# KiCad board main.kicad_pcb (continued)
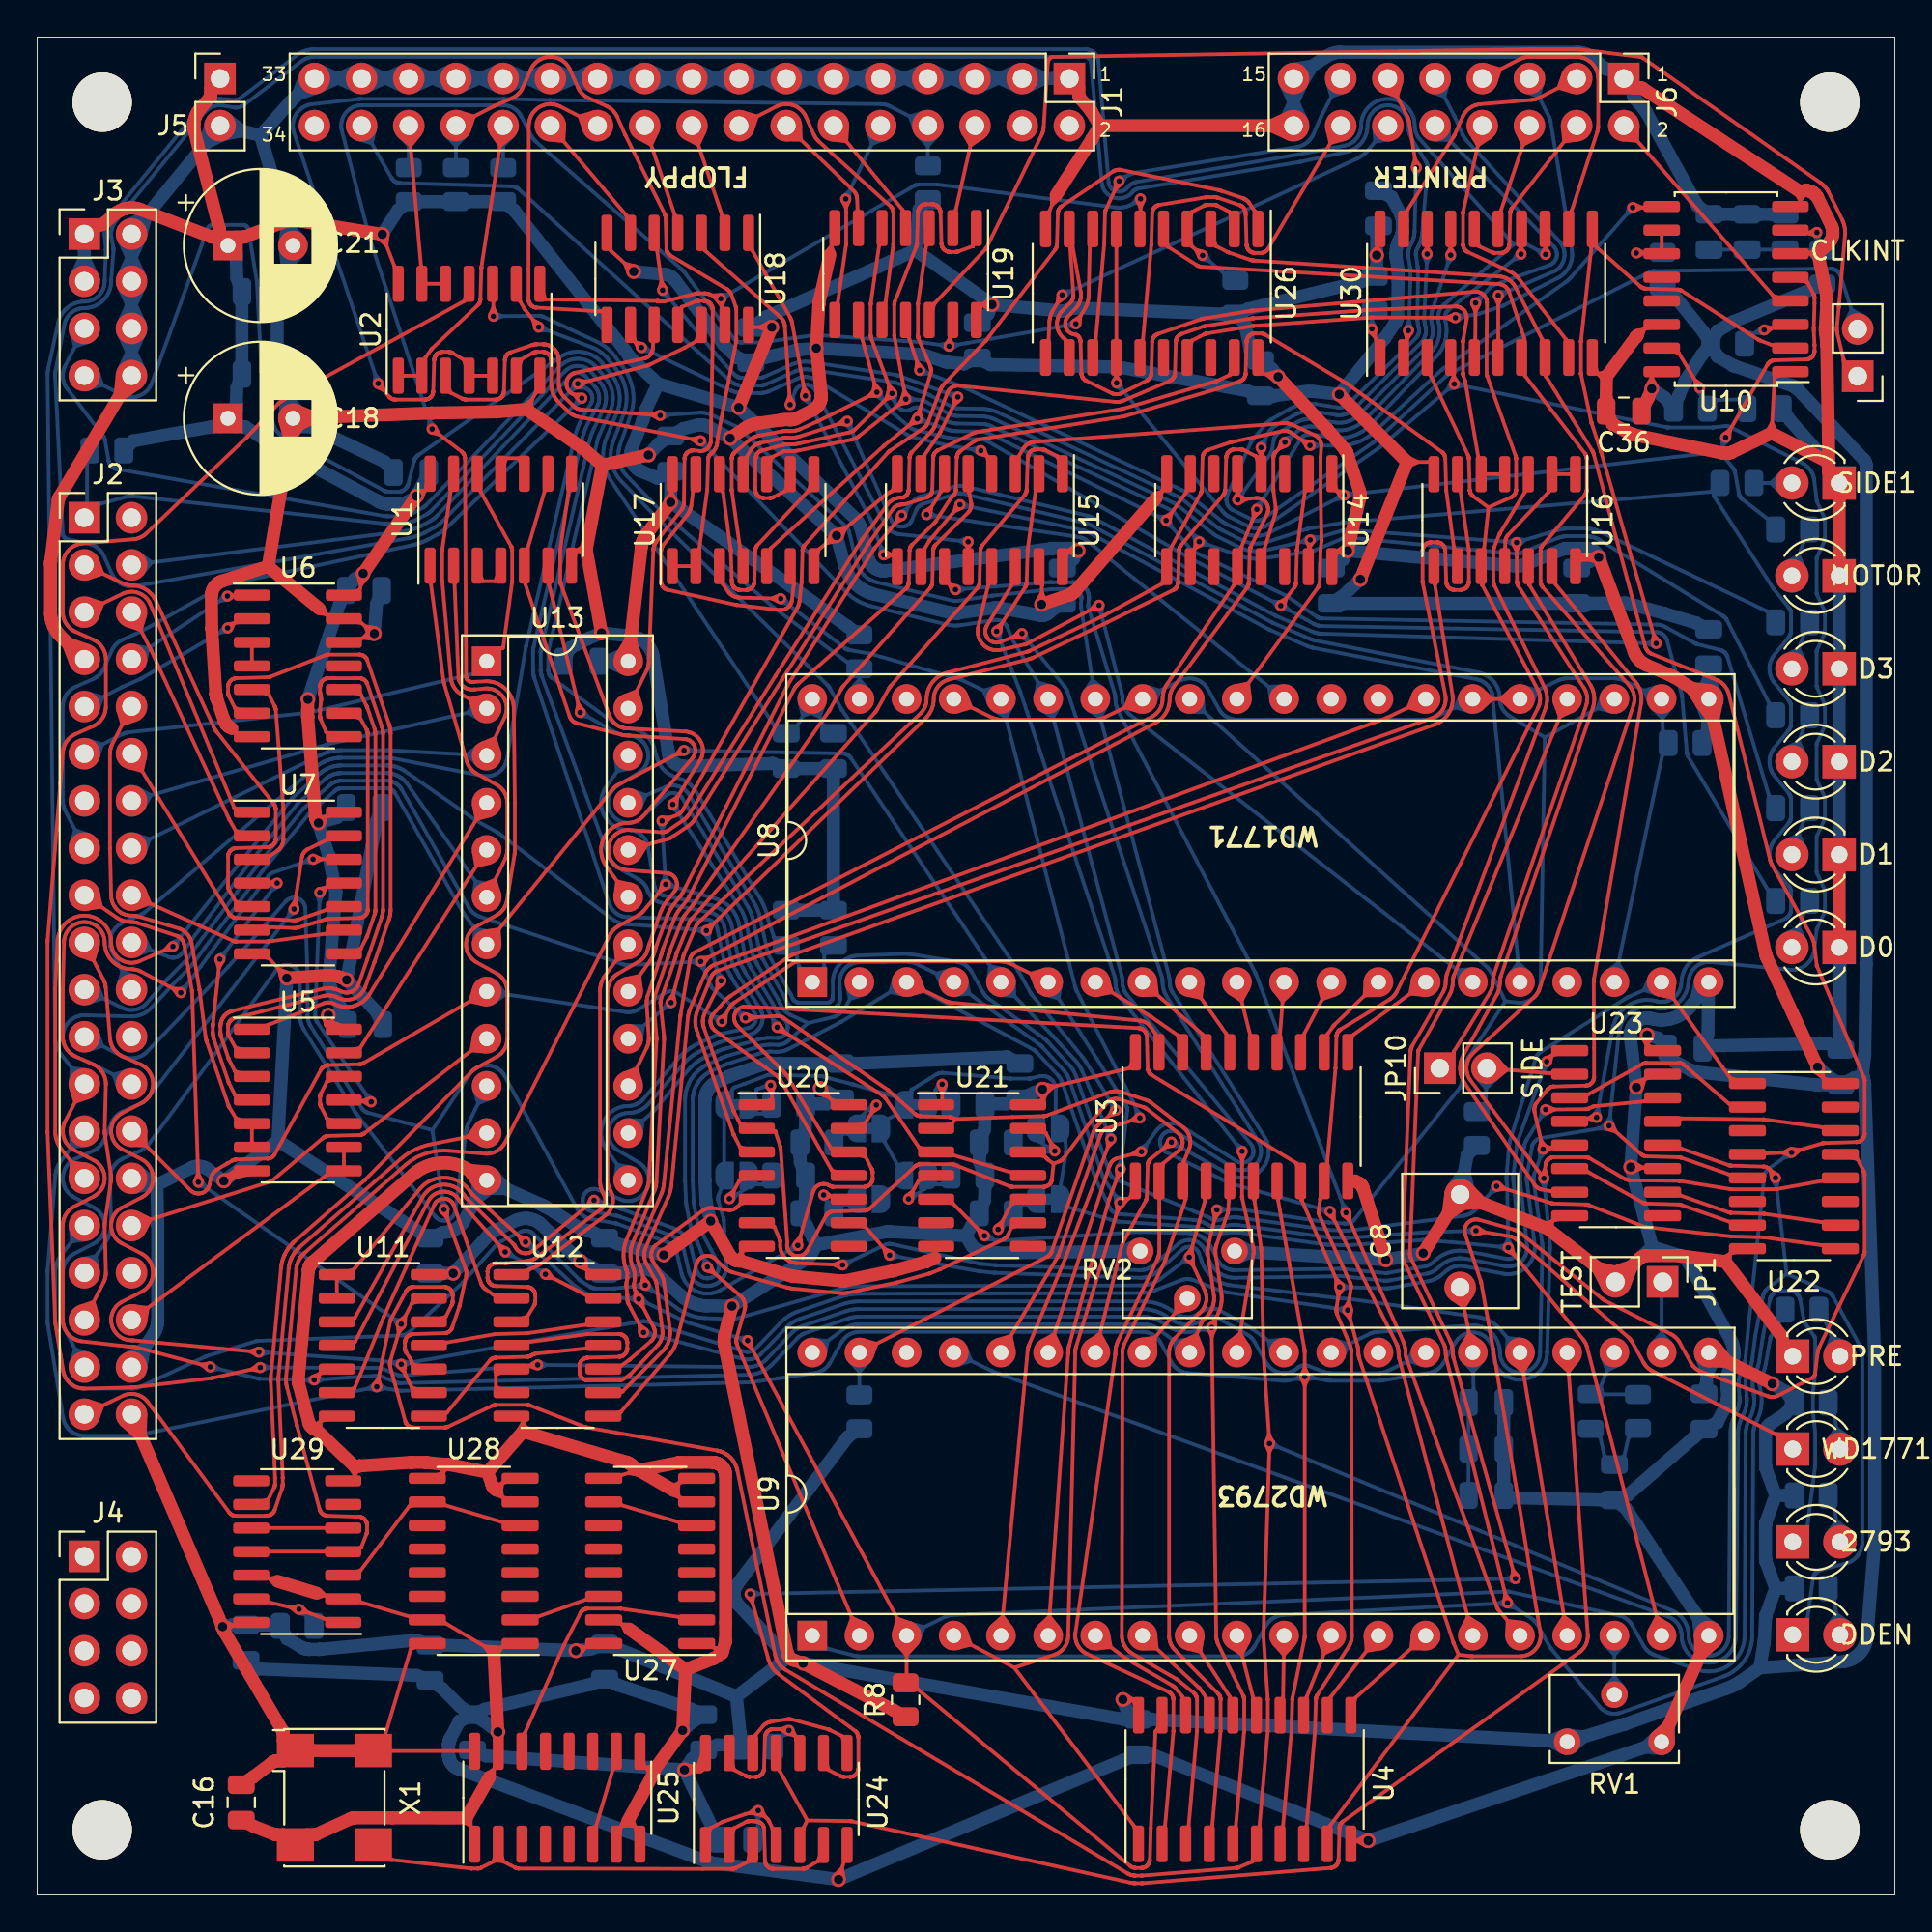
[diagram p0: board, top side]
## Nets
+5V: C13.1 C14.1 C15.1 C16.1 C17.1 C18.1 C19.1 C20.1 C21.1 C22.1 C23.1 C24.1 C25.1 C26.1 C27.1 C28.1 C29.1 C30.1 C31.1 C32.1 C33.1 C34.1 C35.1 C36.1 C37.1 C38.1 C39.1 C40.1 C41.1 C42.1 C43.1 C44.1 C46.1 J2.40 J3.1 J3.3 J5.1 R1.1 R2.1 R3.1 R4.1 R5.1 R6.1 R8.1 R9.1 R10.1 R11.1 R12.1 R13.1 R14.1 R15.1 R16.1 R17.2 R18.2 R19.2 R20.1 R22.1 R24.1 R25.1 R33.1 R34.1 R35.1 R36.1 R37.1 R38.1 R39.1 RV1.1 RV2.3 U1.14 U2.14 U3.20 U4.20 U5.14 U6.14 U7.14 U8.21 U9.21 U10.16 U11.14 U12.14 U13.24 U14.16 U15.16 U16.14 U17.14 U18.14 U19.14 U20.14 U21.14 U22.16 U23.16 U24.14 U25.16 U26.20 U27.16 U28.16 U29.14 U30.20 X1.1 X1.4
+12V: C9.1 C12.1 J3.7 U8.40
-5V: C10.1 C11.1 J3.5 U8.1
GND: C1.2 C2.2 C3.2 C4.1 C5.1 C6.1 C7.1 C8.2 C9.2 C10.2 C11.2 C12.2 C13.2 C14.2 C15.2 C16.2 C17.2 C18.2 C19.2 C20.2 C21.2 C22.2 C23.2 C24.2 C25.2 C26.2 C27.2 C28.2 C29.2 C30.2 C31.2 C32.2 C33.2 C34.2 C35.2 C36.2 C37.2 C38.2 C39.2 C40.2 C41.2 C42.2 C43.2 C44.2 C45.2 C46.2 D5.1 D6.1 D7.1 D8.1 D9.1 D10.1 D11.1 J1.1 J1.3 J1.5 J1.7 J1.9 J1.11 J1.13 J1.15 J1.17 J1.19 J1.21 J1.23 J1.25 J1.27 J1.29 J1.31 J1.33 J2.7 J2.30 J2.38 J3.2 J3.4 J3.6 J3.8 J5.2 J6.1 J6.15 J6.16 JP1.2 R21.2 RV1.3 RV2.1 U1.7 U2.7 U3.10 U4.10 U5.7 U6.7 U6.12 U6.13 U7.7 U8.20 U9.20 U10.1 U10.6 U10.8 U10.14 U11.7 U12.7 U13.12 U14.8 U15.8 U15.15 U16.7 U17.7 U18.7 U19.7 U20.7 U21.7 U22.8 U23.8 U23.11 U23.15 U24.7 U25.1 U25.7 U25.8 U25.9 U25.15 U26.10 U27.1 U27.7 U27.8 U27.9 U27.15 U28.1 U28.7 U28.8 U28.9 U28.15 U29.2 U29.7 U29.12 U30.10 X1.2
1MHz: U8.24 U24.9
2MHz: U9.24 U24.5 U24.11
4MHz: U24.3 U25.2 X1.3
37XX: U5.1 U13.4
40Hz: U28.6 U28.10 U29.3
58SEL: U13.15 U16.9
/B1: D2.2 R22.2
/B2: D3.2 R24.2
/B3: D4.2 R25.2
/B4: D5.2 R26.2
/B5: D6.2 R27.2
/B6: D7.2 R28.2
/B7: D8.2 R29.2
/B8: D9.2 R30.2
/B9: D10.2 R31.2
/B10: D11.2 R32.2
/B11: U25.6 U25.10
/B12: U27.6 U27.10
/B13: U27.14 U28.2
/B14: U29.5 U29.10
/B15: R39.2 U29.1 U29.13
/B16: R33.2 U24.1 U24.4
/B17: U24.2 U24.6
/B18: R34.2 U24.10 U24.13
/B19: U24.8 U24.12
/B20: RV1.2 U9.18
/B21: RV2.2 U9.33
/B22: C4.2 C5.2 C6.2 C8.1 U9.26
/B23: D1.2 R7.2 U9.23
/B24: C7.2 D1.1 R7.1
CENP: R26.1 U9.1 U16.3
D0: R27.1 U14.2 U17.4 U19.9
D1: R28.1 U14.7 U17.5 U19.3
D2: R29.1 U14.10 U17.9 U19.5
D3: JP10.1 R30.1 U14.15 U17.10 U19.1
DFH: U13.21 U22.9
DFL: U10.9 U13.16 U14.9
EFX: U5.13 U13.5
F_A0: J2.26 U8.5 U9.5 U13.7
F_A1: J2.28 U8.6 U9.6 U13.8
F_A2: J2.39 U13.11
F_A3: J2.33 U13.10
F_A4: J2.32 U13.9
F_A5: J2.36 U5.8 U5.9
F_A6: J2.37 U7.13
F_A7: J2.35 U7.12
F_A8: J2.12 U7.10
F_A9: J2.18 U7.9
F_A10: J2.3 U7.5
F_A11: J2.10 U5.5 U5.6
F_A12: J2.6 U7.2
F_A13: J2.5 U7.1
F_A14: J2.9 U6.2
F_A15: J2.8 U6.1
F_D0: J2.29 U3.2 U4.2 U14.4 U20.2 U21.12 U30.18
F_D1: J2.21 U3.3 U4.3 U14.5 U21.2 U30.17
F_D2: J2.31 U3.4 U4.4 U14.12 U30.14
F_D3: J2.25 U3.5 U4.5 U11.5 U14.13 U30.13
F_D4: J2.17 U3.6 U4.6 U11.13 U22.4 U26.3 U30.8
F_D5: J2.27 U3.7 U4.7 U11.12 U22.12 U26.5 U30.7
F_D6: J2.23 U3.8 U4.8 U11.10 U20.12 U22.5 U26.7 U26.14 U30.4
F_D7: J2.19 U3.9 U4.9 U11.9 U16.10 U22.13 U26.9 U26.12 U30.3
FLOP: U1.5 U1.9 U13.19
FSIDE: J1.32 R32.1 U23.4
INTCLK: U19.13 U26.8 U29.9
INTFLOP: U2.8 U18.13 U26.6
M1PRE: U9.29 U16.13 U23.5
M1SIDE: JP10.2 R21.1 U23.2
MOTOR: R31.1 U10.5 U14.1 U19.11
OPT: U13.22 U21.3 U21.11
~{37E0}: U13.14 U26.1 U29.4 U29.11
~{1771}: D3.1 U3.19 U8.3 U11.3
~{2793}: D2.1 R8.2 U4.19 U9.3 U11.1 U11.2 U12.10 U15.1
~{CDDEN}: D4.1 U9.37 U23.12
~{DENSEL}: U12.3 U13.18
~{F_EXMEM}: J2.4 U13.13
~{F_INT}: J2.22 JP11.2 U18.12
~{F_INUSE}: J2.15 U18.10
~{F_IN}: J2.20 U1.1 U13.6
~{F_OUT}: J2.11 U1.12 U13.1
~{F_READ}: J2.16 U1.2 U13.3
~{F_SYSRES}: J2.1 JP2.1 JP3.1 JP4.1 JP5.1 JP6.1 JP7.1 JP8.1 JP9.1 R1.2 U8.19 U9.19 U22.1
~{F_WRITE}: J2.14 U1.13 U13.2
~{MDDEN}: U20.6 U23.14
~{PRINTREAD}: U13.20 U26.19
~{PRINTWRITE}: U10.2 U13.17 U30.11
Net-(C1-Pad1): C1.1 C2.1 C3.1 R3.2 U10.7
Net-(C45-Pad1): C45.1 R36.2 U10.15
Net-(J1-Pad6): J1.6 U19.2
Net-(J1-Pad8): J1.8 R16.2 U2.4 U2.5
Net-(J1-Pad10): J1.10 U19.8
Net-(J1-Pad12): J1.12 U19.4
Net-(J1-Pad14): J1.14 U19.6
Net-(J1-Pad16): J1.16 U19.10
Net-(J1-Pad18): J1.18 U18.2
Net-(J1-Pad20): J1.20 U18.4
Net-(J1-Pad22): J1.22 U18.8
Net-(J1-Pad24): J1.24 U18.6
Net-(J1-Pad26): J1.26 R15.2 U2.1 U2.2
Net-(J1-Pad28): J1.28 R14.2 U17.1 U17.2
Net-(J1-Pad30): J1.30 R13.2 U2.12 U2.13
Net-(J6-Pad2): J6.2 U10.4
Net-(J6-Pad3): J6.3 U30.19
Net-(J6-Pad4): J6.4 U30.16
Net-(J6-Pad5): J6.5 U26.17
Net-(J6-Pad6): J6.6 U30.15
Net-(J6-Pad7): J6.7 U30.12
Net-(J6-Pad8): J6.8 U30.9
Net-(J6-Pad9): J6.9 U30.6
Net-(J6-Pad10): J6.10 U30.5
Net-(J6-Pad11): J6.11 U30.2
Net-(J6-Pad12): J6.12 U26.11
Net-(J6-Pad13): J6.13 U26.13
Net-(J6-Pad14): J6.14 U26.15
Net-(JP1-Pad1): JP1.1 U9.22
Net-(JP2-Pad2): JP2.2 R9.2 U20.10
Net-(JP3-Pad2): JP3.2 R12.2 U20.13
Net-(JP4-Pad2): JP4.2 R10.2 U20.4
Net-(JP5-Pad2): JP5.2 R11.2 U20.1
Net-(JP6-Pad2): JP6.2 R17.1 U21.10
Net-(JP7-Pad2): JP7.2 R18.1 U21.13
Net-(JP8-Pad2): JP8.2 R19.1 U21.4
Net-(JP9-Pad2): JP9.2 R20.2 U21.1
Net-(JP11-Pad1): JP11.1 U19.12
Net-(R2-Pad2): R2.2 U10.10 U10.11
Net-(R4-Pad2): R4.2 U8.18 U8.22 U8.25 U8.26 U8.33 U8.37
Net-(R5-Pad2): R5.2 U2.10 U8.39
Net-(R6-Pad2): R6.2 U2.9 U9.39
Net-(R35-Pad2): R35.2 U26.2 U26.4
Net-(R37-Pad2): R37.2 U30.1
Net-(R38-Pad2): R38.2 U10.3
Net-(U1-Pad3): U1.3 U1.4
Net-(U1-Pad6): U1.6 U3.1 U4.1 U8.4 U9.4
Net-(U1-Pad8): U1.8 U8.2 U9.2
Net-(U1-Pad10): U1.10 U1.11
Net-(U2-Pad3): U2.3 U8.34 U9.34
Net-(U2-Pad6): U2.6 U8.35 U9.35
Net-(U3-Pad11): U3.11 U8.14
Net-(U3-Pad12): U3.12 U8.13
Net-(U3-Pad13): U3.13 U8.12
Net-(U3-Pad14): U3.14 U8.11
Net-(U3-Pad15): U3.15 U8.10
Net-(U3-Pad16): U3.16 U8.9
Net-(U3-Pad17): U3.17 U8.8
Net-(U3-Pad18): U3.18 U8.7
Net-(U4-Pad11): U4.11 U9.14
Net-(U4-Pad12): U4.12 U9.13
Net-(U4-Pad13): U4.13 U9.12
Net-(U4-Pad14): U4.14 U9.11
Net-(U4-Pad15): U4.15 U9.10
Net-(U4-Pad16): U4.16 U9.9
Net-(U4-Pad17): U4.17 U9.8
Net-(U4-Pad18): U4.18 U9.7
Net-(U5-Pad2): U5.2 U6.6
Net-(U5-Pad3): U5.3 U6.8
Net-(U5-Pad4): U5.4 U7.4
Net-(U5-Pad10): U5.10 U5.12
Net-(U5-Pad11): U5.11 U7.11
Net-(U6-Pad3): U6.3 U6.4
Net-(U6-Pad5): U6.5 U7.3
Net-(U6-Pad9): U6.9 U7.6
Net-(U6-Pad10): U6.10 U7.8
Net-(U11-Pad4): U11.4 U12.13
Net-(U11-Pad6): U11.6 U12.2
Net-(U11-Pad8): U11.8 U12.11
Net-(U11-Pad11): U11.11 U12.12
Net-(U12-Pad1): U12.1 U16.4 U16.5
Net-(U12-Pad4): U8.27 U12.4
Net-(U12-Pad5): U2.11 U9.27 U12.5 U12.6
Net-(U12-Pad8): U12.8 U21.9
Net-(U12-Pad9): U12.9 U20.5
Net-(U13-Pad23): U13.23 U18.11
Net-(U15-Pad2): U9.31 U15.2
Net-(U15-Pad3): U8.31 U15.3
Net-(U15-Pad4): U15.4 U18.9
Net-(U15-Pad5): U9.30 U15.5
Net-(U15-Pad6): U8.30 U15.6
Net-(U15-Pad7): U15.7 U18.5
Net-(U15-Pad9): U15.9 U18.1
Net-(U15-Pad10): U8.16 U15.10
Net-(U15-Pad11): U9.16 U15.11
Net-(U15-Pad12): U15.12 U18.3
Net-(U15-Pad13): U8.15 U15.13
Net-(U15-Pad14): U9.15 U15.14
Net-(U16-Pad1): U16.1 U16.2 U16.11
Net-(U16-Pad6): U16.6 U20.3
Net-(U16-Pad8): U16.8 U20.11
Net-(U16-Pad12): U16.12 U23.7
Net-(U17-Pad3): U8.36 U9.36 U17.3
Net-(U17-Pad11): U8.23 U8.32 U9.32 U9.40 U17.11
Net-(U17-Pad12): U17.8 U17.12
Net-(U17-Pad13): U17.6 U17.13
Net-(U20-Pad9): U9.17 U9.25 U20.9
Net-(U21-Pad5): U21.5 U23.1
Net-(U22-Pad2): U22.2 U23.3
Net-(U22-Pad7): U22.7 U23.6
Net-(U22-Pad10): U22.10 U23.10
Net-(U22-Pad14): U22.14 U23.13
Net-(U25-Pad14): U25.14 U27.2

Pads without a net: J1 2 4 34; J2 2 13 24 34; J4 1 2 3 4 5 6 7 8; U6 11; U8 17 28 29 38; U9 28 38; U10 12 13; U14 3 6 11 14; U20 8; U21 6 8; U22 3 6 11 15; U23 9; U25 3 4 5 11 12 13; U26 16 18; U27 3 4 5 11 12 13; U28 3 4 5 11 12 13 14; U29 6 8

## Via types
v1: diameter 0.8, hole 0.5, Top to Bottom, 52 vias
v2: diameter 0.6, hole 0.3, Top to Bottom, 155 vias

## Routing (per net, layer and track width the routed paths; a pad name or vN(x,y) marks a point on that pad's centre or on a via; arc(x,y) is an arc through that point)
+5V: length 773.5
  Top w0.2: 39.4,84.65 38.9,84.39 39.4,84.12 ; 54.18,42.83 54.38,43.23 ; 54.18,42.83 53.89,43.17 ; 54.18,42.83 54.18,42.83 U21.14 ; 54.18,42.83 v1(54.12,43.37) 58.82,44.51 58.82,44.51 U3.20 ; 86.91,81.69 86.91,81.79 U10.16 ; 86.91,81.69 v1(86.91,81.07) ; 86.91,81.69 86.65,81.22 ; 86.91,81.69 87.17,81.22 ; 96.14,44.56 96.13,43.99 95.67,44.32 ; v1(66.81,81.72) 66.01,81.88 U26.20 ; 15.56,58.04 15.56,58.04 U7.14 ; 15.56,58.04 v1(15.14,57.7) ; 15.56,58.04 15.12,58 ; 15.56,58.04 15.43,57.61 ; 86.64,45.75 86.91,46.11 ; 86.64,45.75 v1(86.67,46.29) ; 86.64,45.75 86.41,46.13 ; 86.64,45.75 86.64,45.74 U23.16 ; 17.26,71.04 17.42,70.5 17.78,70.94 ; 70,72.36 70.37,72.61 ; 70,72.36 70.36,72.11 ; 70,72.36 69.99,72.36 U14.16 ; 70,72.36 v1(70.54,72.35) ; 55.49,72.36 v1(56.04,72.37) ; 55.49,72.36 U15.16 ; 55.49,72.36 55.87,72.12 ; 55.49,72.36 55.87,72.61 ; 58.98,10.52 v1(58.44,10.51) ; 58.98,10.52 58.61,10.27 ; 58.98,10.52 58.99,10.52 U4.20 ; 58.98,10.52 58.61,10.76 ; 29.57,33.66 29.54,34.13 ; 29.57,33.66 v1(29.24,34.11) ; 29.57,33.66 U12.14 ; 29.57,33.66 29.13,33.83 ; U6.14 17.37,70.26 v1(17.55,71.13) ; 42.44,43.49 42.6,42.95 42.06,43.12 ; U19.14 50.86,85.61 ; 50.86,85.61 51.23,85.36 ; 50.86,85.61 v1(51.4,85.6) ; 50.86,85.61 51.24,85.86 ; U11.14 21.96,33.44 22.06,33.44 ; 29.51,13.32 29.08,13.43 ; 29.51,13.32 v1(29,13.15) ; 29.51,13.32 29.51,13.32 U27.16 ; 29.51,13.32 29.24,12.96 ; U30.20 72.12,88.69 ; 72.12,88.69 72.33,88.46 ; 72.12,88.69 v1(72.11,88.26) ; 72.12,88.69 71.9,88.48 ; 34.14,75.49 34.36,75.11 ; 34.14,75.49 34.14,75.5 34.14,75.6 U17.14 ; 34.14,75.49 33.87,75.15 ; 34.14,75.49 v1(34.11,74.96) ; U29.14 10.55,14.5 ; 10.55,14.5 10.11,14.71 ; 10.55,14.5 10.17,14.2 ; 10.55,14.5 v1(9.98,14.44) ; v1(39.54,84.39) 38.49,84.39 U18.14 ; 18.38,89.16 18.81,88.79 18.88,89.35 ; 20.88,75.59 v1(20.42,75.29) ; 20.88,75.59 20.7,75.18 ; 20.88,75.59 21.15,76.5 ; 20.88,75.59 20.43,75.59 ; U25.16 23.35,7.75 19,7.75 X1.4 18.75,8.57 18.75,8.67 20.11,13.24 U28.16 ; 54.19,43.66 54.74,43.52 54.32,43.14 ; U22.16 96.15,43.96 v1(95.84,44.56) ; U20.14 42.76,42.79 v1(42.15,43.41) ; 22.06,33.44 22.24,33.28 ; 22.06,33.44 22.22,33.61 ; 22.06,33.44 v1(22.4,33.45) ; U2.14 19.23,87.69 v1(18.58,89.38) ; 66.72,82 66.18,81.84 66.61,81.49
  Top w0.5: U5.14 15.67,46.89 v1(15.68,47.35) ; 34.92,6.6 35.2,6.76 34.89,6.87 ; 15.54,47.29 15.67,46.99 15.81,47.29 ; v1(84.06,72) 82.86,72 U16.14 ; 84,71.87 83.7,72 84,72.14 ; v1(34.84,6.73) 35.68,6.8 35.98,7.64
  Top w0.7: X1.1 13.25,8.32 13.25,8.67 13.25,8.68 13.25,8.7 13.25,8.72 13.24,8.73 13.24,8.75 13.24,8.77 13.23,8.78 13.22,8.8 13.22,8.81 13.21,8.83 13.2,8.84 10.09,14.16 10.07,14.18 10.04,14.25 10.02,14.29 10.02,14.31 10.01,14.33 10,14.35 10,14.37 9.99,14.39 9.99,14.41 v1(9.98,14.44) J2.40 ; X1.1 13.25,7.22 12.9,7.22 12.88,7.22 12.87,7.21 12.85,7.21 12.83,7.21 12.81,7.21 12.8,7.2 12.78,7.19 12.76,7.19 12.75,7.18 12.73,7.17 12.72,7.16 12.7,7.16 12.69,7.15 11.64,6.35 11.64,6.35 C16.1 ; X1.1 X1.4 ; v1(86.91,81.07) 86.72,80.57 C36.1 ; 89.97,28.75 90.95,28.72 90.33,29.48 ; 89.6,64.13 89.07,64.95 90.04,64.82 ; J5.1 9.34,97.28 9.34,96.92 9.34,96.91 9.34,96.89 9.34,96.87 9.34,96.85 9.33,96.83 9.33,96.82 9.32,96.8 9.32,96.78 9.31,96.77 9.3,96.75 9.29,96.74 9.28,96.72 9.27,96.71 9.26,96.69 8.79,96.17 8.74,96.12 8.7,96.06 8.66,95.99 8.62,95.93 8.58,95.86 8.55,95.79 8.52,95.72 8.5,95.64 8.48,95.57 8.46,95.5 8.45,95.42 8.44,95.34 8.44,95.27 8.44,95.19 8.44,95.11 8.45,95.04 8.46,94.96 8.48,94.89 9.81,89.67 9.81,89.65 9.82,89.62 9.82,89.6 9.82,89.59 9.82,89.23 ; J3.1 3.04,89.9 3.39,89.9 3.41,89.9 3.43,89.9 3.44,89.9 3.46,89.91 3.48,89.91 3.5,89.92 3.51,89.92 3.53,89.93 3.55,89.94 3.56,89.95 3.58,89.96 3.59,89.97 3.61,89.98 3.62,89.99 4.14,90.45 4.2,90.5 4.26,90.55 4.33,90.59 4.39,90.63 4.46,90.67 4.53,90.7 4.6,90.73 4.68,90.75 4.75,90.77 4.83,90.79 4.9,90.8 4.98,90.81 5.06,90.81 5.14,90.81 5.21,90.8 5.29,90.79 5.37,90.78 5.44,90.76 5.52,90.74 5.59,90.71 9.34,89.26 9.37,89.25 9.4,89.24 9.43,89.24 9.46,89.24 9.47,89.23 9.82,89.23 ; v1(66.81,81.72) 69.45,78.89 69.47,78.86 70.38,77.81 70.4,77.79 70.42,77.77 70.44,77.73 70.46,77.71 70.48,77.68 70.5,77.63 70.51,77.6 70.52,77.58 71.17,75.62 71.18,75.58 71.19,75.55 71.2,75.51 71.21,75.47 71.21,75.43 71.21,75.39 71.21,75.35 71.21,75.31 71.21,75.27 71.21,75.23 71.2,75.19 71.19,75.15 v1(70.54,72.35) ; 90.42,64.28 90.22,63.32 89.62,64.1 ; v1(18.58,89.38) 13.99,90.13 13.92,90.14 13.86,90.14 13.79,90.14 13.73,90.14 13.66,90.14 13.6,90.13 13.54,90.12 13.47,90.11 13.41,90.1 13.35,90.08 13.29,90.06 11.19,89.26 11.17,89.25 11.14,89.24 11.11,89.24 11.08,89.24 11.07,89.23 10.72,89.23 C21.1 ; 9.82,89.23 C21.1 ; 9.82,89.23 C21.1 ; 31.43,66.64 31.94,67.48 32.24,66.55 ; v1(37.77,80.06) v1(39.54,84.39) ; 4.74,25.5 5.55,24.77 5.58,25.86 ; v1(84.06,72) 85.96,66.92 85.99,66.86 86.01,66.8 86.04,66.74 86.08,66.69 86.11,66.63 86.15,66.58 86.19,66.53 86.23,66.48 86.28,66.44 86.33,66.4 86.38,66.35 86.43,66.32 86.48,66.28 86.54,66.25 86.59,66.22 86.65,66.19 87.98,65.62 88.01,65.61 88.04,65.59 88.08,65.58 88.11,65.56 88.14,65.54 88.17,65.52 U8.21 93.03,50.68 93.05,50.64 93.06,50.6 93.07,50.55 93.08,50.51 93.1,50.47 93.12,50.43 93.14,50.38 v1(95.84,44.56) ; v1(34.11,74.96) 32.83,73.28 32.78,73.22 32.75,73.18 32.73,73.15 32.71,73.12 32.7,73.08 32.68,73.05 32.65,72.99 32.63,72.94 32.61,72.91 32.6,72.87 32.59,72.83 32.58,72.8 32.57,72.76 32.56,72.73 32.55,72.7 32.54,72.67 32.54,72.63 32.53,72.6 32.52,72.57 32.52,72.53 U13.24 ; v1(14.57,64.35) 14.57,63.77 14.57,63.76 14.57,63.46 14.57,63.43 14.57,63.4 14.57,63.39 14.98,58.08 14.98,58.05 14.98,58.03 14.99,58 14.99,57.98 15,57.95 15,57.93 15.01,57.91 15.02,57.89 15.03,57.86 15.04,57.84 15.05,57.82 15.07,57.79 15.08,57.77 15.1,57.75 15.12,57.73 v1(15.14,57.7) ; R8.1 46.07,9.96 v1(41.23,12.46) 40.75,12.62 40.72,12.63 40.69,12.65 40.66,12.66 40.63,12.67 40.61,12.69 40.58,12.71 40.56,12.73 40.54,12.75 40.51,12.77 40.49,12.79 40.47,12.82 40.46,12.84 40.44,12.87 40.42,12.9 40.41,12.93 40.4,12.95 40.39,12.98 40.38,13.01 40.37,13.04 37,29.58 36.99,29.64 36.98,29.7 36.98,29.75 36.98,29.81 36.98,29.87 36.98,29.92 36.98,29.98 36.99,30.04 37,30.09 37.01,30.15 v1(37.4,31.69) ; v1(20.42,75.29) v1(17.55,71.13) ; U9.21 v1(93.4,27.51)
  Bottom w0.7: C24.1 97.8,43.97 97.8,43.97 98.26,44.12 ; C24.1 96.36,43.61 95.86,43.6 95.84,43.6 95.81,43.6 95.79,43.6 95.76,43.61 95.74,43.61 89.31,44.3 89.28,44.3 89.25,44.31 89.22,44.31 89.18,44.33 89.15,44.34 89.12,44.35 89.09,44.36 89.04,44.38 89.02,44.39 88.13,44.87 88.12,44.88 C27.1 87.27,46.12 v1(86.67,46.29) ; C24.1 96.44,44.04 v1(95.84,44.56) ; 90.38,28.98 89.9,28.12 89.56,29.04 ; v1(51.4,85.6) 51.19,85.1 C37.1 ; v1(51.4,85.6) 55.09,85.27 55.13,85.26 55.18,85.26 55.22,85.26 55.26,85.27 55.3,85.27 55.34,85.28 55.38,85.29 55.42,85.3 55.46,85.31 55.5,85.33 55.53,85.34 55.55,85.35 ; v1(51.4,85.6) 47.28,88.53 ; J3.3 J3.1 ; v1(42.15,43.41) 42.54,43.21 C26.1 42.52,42.58 41.53,42.58 R11.1 41.36,41.83 41.36,41.82 41.35,41.2 R12.1 41.06,39.8 41.06,39.79 41.08,39.42 R10.1 41.36,38.02 41.36,38.01 41.35,37.39 R9.1 41.43,36.01 41.94,34.99 ; RV2.3 51.75,34.55 51.72,34.55 51.69,34.55 51.66,34.55 51.64,34.55 51.61,34.56 50.91,34.62 50.87,34.63 50.83,34.63 50.78,34.64 50.74,34.66 50.7,34.67 50.65,34.69 50.61,34.71 50.57,34.73 50.54,34.75 50.5,34.77 50.46,34.8 50.43,34.83 50.39,34.86 50.36,34.89 50.33,34.93 50.31,34.96 50.28,35 50.26,35.04 50,35.47 ; C14.1 24.15,7.48 24.16,7.48 v1(34.84,6.73) ; 40.4,12.78 37.75,15.61 37.72,15.65 37.68,15.69 37.66,15.73 37.63,15.77 37.61,15.81 37.59,15.86 37.57,15.91 37.55,15.95 37.54,16 37.53,16.05 37.52,16.1 37.52,16.15 37.52,16.2 37.52,16.25 37.52,16.3 37.53,16.35 37.54,16.4 37.55,16.45 37.57,16.49 37.59,16.54 37.61,16.59 37.63,16.63 37.66,16.67 37.69,16.71 43.63,24.65 43.64,24.65 R6.1 ; 40.4,12.78 40.69,12.65 40.71,12.64 40.74,12.63 40.75,12.62 v1(41.23,12.46) 58.48,9.45 58.51,9.44 58.52,9.44 C17.1 ; 40.4,12.78 37.64,10.68 ; 89.57,64.56 89.98,65.45 90.39,64.56 ; 31.63,66 30.74,66.41 31.63,66.82 ; R1.1 5.17,78.26 5.17,78.27 9.41,79.03 9.43,79.03 9.46,79.03 9.47,79.03 9.82,79.03 C18.1 ; v1(34.84,6.73) 36.32,3.65 R33.1 ; v1(34.84,6.73) 35.26,7.34 C13.1 36.6,8.07 37.67,8.07 R34.1 37.84,8.68 37.84,8.7 37.64,10.68 ; 82.35,72.48 82.39,72.48 82.39,72.48 83.34,72.48 83.38,72.48 83.44,72.47 83.47,72.47 83.5,72.47 83.53,72.46 83.58,72.45 83.61,72.44 83.64,72.43 83.67,72.41 83.71,72.39 83.74,72.38 83.76,72.36 83.79,72.35 83.83,72.32 83.85,72.3 83.88,72.28 83.9,72.26 83.93,72.23 83.95,72.21 83.96,72.19 83.98,72.17 83.99,72.15 84,72.13 84.01,72.11 84.02,72.09 84.03,72.07 84.06,72.02 v1(84.06,72) 83.57,71.78 C44.1 ; C18.1 10.72,79.03 11.07,79.03 ; C18.1 10.72,79.94 10.72,80.29 10.72,80.3 10.75,81.14 C20.1 C19.1 10.75,87.03 10.72,87.98 10.72,88.34 C21.1 ; C15.1 21.88,33.45 v1(22.4,33.45) 24.26,35.47 24.3,35.51 24.34,35.54 24.37,35.58 24.42,35.61 24.46,35.64 24.5,35.67 24.54,35.7 24.59,35.72 24.64,35.75 25.73,36.28 25.79,36.31 25.86,36.34 25.93,36.36 25.99,36.38 26.06,36.39 26.13,36.4 26.2,36.41 26.27,36.41 26.34,36.41 26.41,36.41 26.48,36.4 26.55,36.39 26.62,36.37 26.68,36.35 26.75,36.33 26.81,36.3 26.88,36.27 26.94,36.24 27,36.2 27.05,36.16 27.11,36.11 27.16,36.07 v1(29.24,34.11) 29.84,33.81 C22.1 31.27,33.45 31.3,33.45 31.31,33.46 32.59,33.67 ; v1(14.57,64.35) 16.29,69.51 16.29,69.51 C29.1 17.1,70.83 v1(17.55,71.13) ; 93.58,21.5 94.42,21.5 R22.1 ; 93.58,21.5 93.07,20.09 93.07,20.07 93.06,20.05 93.05,20.03 93.05,20.01 93.05,19.99 93.04,19.96 93.04,19.94 93.04,19.92 93.04,19.9 93.04,18.1 93.04,18.08 93.04,18.06 93.04,18.04 93.05,18.01 93.05,17.99 93.05,17.97 93.06,17.95 93.07,17.93 93.07,17.91 93.58,16.5 ; 93.58,21.5 93.07,22.91 93.07,22.93 93.06,22.95 93.05,22.97 93.05,22.99 93.05,23.01 93.04,23.04 93.04,23.06 93.04,23.08 93.04,23.1 93.04,24.8 93.04,24.83 93.04,24.85 93.05,24.95 93.06,24.98 93.06,25.01 93.07,25.04 93.08,25.07 93.08,25.09 93.1,25.12 93.11,25.15 93.12,25.17 93.14,25.2 93.15,25.22 93.17,25.24 93.19,25.26 93.21,25.29 93.23,25.31 93.25,25.32 93.27,25.34 93.3,25.36 94.12,25.91 R24.1 94.12,27.09 94.12,27.09 v1(93.4,27.51) ; C38.1 72.11,89.69 v1(72.11,88.26) 72.1,87.65 72.1,87.29 R37.1 71.3,86.85 71.3,86.85 65.2,85.37 65.2,85.37 R35.1 ; R38.1 89.68,84.15 88.09,86.12 R2.1 ; R38.1 89.62,82.91 89.61,82.9 88.77,81.59 88.76,81.57 88.75,81.55 88.74,81.53 88.73,81.51 88.72,81.49 88.71,81.47 88.38,80.71 88.37,80.7 R36.1 87.62,80.59 v1(86.91,81.07) ; R38.1 90.46,82.82 90.46,82.81 91.24,82.35 91.27,82.34 91.29,82.32 91.34,82.3 91.36,82.29 91.38,82.28 94.47,81.24 94.5,81.23 94.52,81.22 94.56,81.2 94.59,81.19 94.62,81.17 94.65,81.15 94.68,81.13 94.71,81.11 94.73,81.09 94.76,81.06 94.8,81.02 98.31,77.28 98.33,77.26 98.34,77.24 98.36,77.22 98.38,77.19 98.39,77.17 98.4,77.14 98.42,77.12 98.43,77.09 98.43,77.07 98.44,77.04 98.45,77.01 98.45,76.98 98.46,76.96 98.46,76.93 98.46,76.9 98.46,50.1 98.46,50.09 98.38,45.25 98.38,45.22 98.37,45.16 98.26,44.12 ; R38.1 90.46,84.18 90.46,84.19 91.24,84.65 91.27,84.66 91.31,84.69 91.35,84.7 95.41,86.38 95.41,86.38 R3.1 ; v1(66.81,81.72) 66.47,82.14 C42.1 65.31,83.09 65.01,84.58 R35.1 ; 59.23,34.32 58.49,34.64 59.22,34.99 ; R35.1 63.8,85.09 63.79,85.09 55.95,85.43 55.91,85.43 55.88,85.43 55.84,85.43 55.8,85.42 55.76,85.42 55.73,85.41 55.69,85.4 55.66,85.39 55.62,85.38 55.59,85.36 55.55,85.35 ; v1(54.12,43.37) 53.62,43.17 53.61,43.16 C28.1 52.17,42.58 51.18,42.58 R20.1 51.02,41.83 51.02,41.82 51,41.2 R18.2 50.72,39.8 50.72,39.79 50.73,39.42 R19.2 51.02,38.02 51.02,38.01 51,37.39 R17.2 50.31,36.03 50,35.47 ; C43.1 89.85,27.12 89.85,27.47 ; C35.1 70.28,71.87 70.28,71.88 v1(70.54,72.35) 79.52,71.53 79.57,71.53 79.63,71.53 79.68,71.53 79.74,71.53 79.79,71.54 79.85,71.55 79.9,71.56 79.96,71.57 80.01,71.58 80.06,71.6 80.11,71.62 82.1,72.42 82.12,72.43 82.15,72.44 82.21,72.46 82.24,72.47 82.27,72.47 82.3,72.47 82.35,72.48 ; 47.28,88.53 47.47,90.74 47.94,91.25 ; 47.28,88.53 39.29,84.96 39.26,84.95 39.24,84.94 39.22,84.92 39.19,84.91 39.17,84.89 39.15,84.88 39.13,84.86 39.11,84.84 39.09,84.82 39.07,84.8 C39.1 39.15,84.37 v1(39.54,84.39) ; 41.94,34.99 41.71,34.56 41.69,34.52 41.66,34.49 41.64,34.45 41.62,34.42 41.59,34.39 41.56,34.36 41.53,34.33 41.5,34.31 41.47,34.28 41.44,34.26 41.41,34.24 v1(37.4,31.69) 36.06,31.71 35.95,31.71 35.84,31.72 35.74,31.73 35.63,31.75 35.53,31.78 35.43,31.81 35.33,31.85 35.23,31.89 35.13,31.93 35.04,31.98 34.94,32.04 34.86,32.1 34.77,32.16 34.69,32.23 33.31,33.46 33.27,33.49 33.24,33.52 33.2,33.54 33.16,33.57 33.12,33.59 33.08,33.61 33.04,33.62 33,33.64 32.95,33.65 32.91,33.66 32.86,33.67 32.82,33.67 32.77,33.68 32.73,33.68 32.68,33.68 32.64,33.67 32.59,33.67 ; 41.94,34.99 45.66,35.68 45.7,35.69 45.74,35.69 45.79,35.7 45.83,35.7 45.87,35.7 45.92,35.7 45.96,35.7 50,35.47 ; R25.1 94.42,16.5 93.58,16.5 ; 98.26,44.12 98.28,44.1 98.29,44.08 98.29,44.06 98.3,44.04 98.31,44.02 98.31,44 98.32,43.98 98.32,43.96 98.37,43.72 98.37,43.69 98.38,43.66 98.38,43.63 98.91,29.07 98.91,29.02 98.91,29 98.91,19 98.91,18.97 98.91,18.94 98.91,18.91 98.91,18.88 98.9,18.85 98.5,13.88 98.49,13.8 98.47,13.72 98.45,13.64 98.43,13.56 98.4,13.48 98.37,13.4 98.34,13.33 98.3,13.26 98.25,13.19 98.2,13.12 98.15,13.05 98.1,12.99 98.04,12.93 97.98,12.88 97.91,12.83 97.84,12.78 97.77,12.74 97.7,12.7 97.63,12.66 97.55,12.63 97.47,12.61 97.39,12.58 97.31,12.57 97.23,12.55 97.15,12.54 92.73,12.22 ; 11.07,79.03 11.09,79.03 11.1,79.03 11.12,79.03 11.14,79.03 11.15,79.03 11.17,79.02 11.18,79.02 11.2,79.01 11.21,79 11.23,79 11.24,78.99 11.26,78.98 12.82,77.99 12.87,77.96 12.91,77.94 12.93,77.93 18.35,75.02 18.38,75 18.44,74.98 18.46,74.96 18.49,74.95 18.51,74.94 18.54,74.93 18.57,74.93 18.6,74.92 18.64,74.91 18.66,74.9 18.69,74.89 18.72,74.89 18.75,74.88 18.77,74.88 18.8,74.88 18.86,74.87 18.9,74.87 18.93,74.87 19.43,74.87 19.47,74.87 19.5,74.87 19.56,74.88 19.59,74.88 19.62,74.88 19.64,74.89 19.67,74.89 19.7,74.9 19.73,74.91 19.77,74.92 19.8,74.93 19.82,74.93 19.85,74.94 19.88,74.95 19.9,74.96 19.93,74.98 19.97,74.99 19.99,75.01 20.02,75.02 20.04,75.03 20.07,75.05 20.09,75.06 20.11,75.08 v1(20.42,75.29) 20.73,75.86 C33.1 ; 93.58,16.5 93.07,15.09 93.07,15.07 93.06,15.05 93.06,15.03 93.05,15.01 93.05,14.99 93.04,14.97 93.04,14.95 93.04,14.93 92.98,13.79 92.97,13.72 92.97,13.65 92.96,13.59 92.95,13.52 92.94,13.45 92.73,12.22 ; U9.21 89.85,27.5 89.85,27.47 ; v1(58.44,10.51) 58.67,9.92 58.67,9.92 C17.1 ; 82.19,7.91 81.48,8.29 82.23,8.58 ; C17.1 59.97,9.44 59.99,9.44 RV1.1 85.39,9.16 85.43,9.17 85.46,9.19 90.98,11.12 91.07,11.16 91.17,11.2 91.26,11.24 91.36,11.29 91.45,11.34 91.53,11.39 91.62,11.44 91.71,11.5 92.73,12.22 ; U13.24 C30.1 ; 2.09,87.07 2.54,88.06 2.99,87.07 ; 37.64,10.68 31.28,13.23 31.27,13.24 C25.1 29.82,13.24 v1(29,13.15) 21.88,13.44 21.87,13.44 C40.1 20.42,13.71 20.4,13.71 15.27,13.22 15.21,13.22 15.18,13.21 15.17,13.21 14.65,13.21 14.62,13.22 14.6,13.22 14.56,13.22 ; 89.57,64.2 89.93,63.3 90.38,64.17 ; 33.43,81.35 31.98,82.69 31.96,82.71 31.94,82.73 31.92,82.75 31.9,82.77 31.89,82.79 31.87,82.81 31.86,82.83 31.68,83.1 31.65,83.13 31.63,83.17 31.6,83.21 31.57,83.24 31.54,83.28 25.68,90.68 25.68,90.68 R15.1 R14.1 R13.1 19.41,90.68 v1(18.58,89.38) ; 33.43,81.35 v1(37.77,80.06) 43.97,74.16 44.02,74.12 44.06,74.07 44.1,74.02 44.14,73.96 44.18,73.91 44.22,73.85 44.25,73.8 44.28,73.74 44.3,73.68 44.32,73.61 44.34,73.55 44.36,73.49 44.73,71.93 44.75,71.88 44.76,71.84 44.78,71.79 44.8,71.75 44.82,71.7 44.85,71.66 44.88,71.62 44.91,71.58 44.94,71.55 44.97,71.51 45.01,71.48 45.05,71.45 45.08,71.42 45.13,71.39 45.17,71.37 45.21,71.35 45.26,71.33 45.3,71.31 45.35,71.3 45.4,71.29 45.44,71.28 45.49,71.27 45.54,71.27 45.59,71.27 45.64,71.27 45.69,71.28 54.59,72.47 54.61,72.47 54.66,72.48 ; 33.43,81.35 32.79,79.99 32.78,79.97 32.77,79.94 32.76,79.92 32.75,79.89 32.74,79.87 32.73,79.85 32.72,79.8 32.7,79.72 32.68,79.63 32.66,79.55 32.63,79.47 32.6,79.39 32.57,79.31 32.01,77.85 31.99,77.8 31.98,77.75 31.96,77.7 31.95,77.64 31.95,77.59 31.95,77.53 31.95,77.48 31.95,77.42 31.96,77.37 31.97,77.31 31.98,77.26 31.99,77.21 32.01,77.15 32.03,77.1 32.06,77.05 32.09,77.01 32.12,76.96 32.15,76.91 32.19,76.87 32.22,76.83 32.26,76.79 32.31,76.76 32.35,76.72 32.4,76.69 32.44,76.67 32.49,76.64 32.54,76.62 33.38,76.28 33.4,76.28 C23.1 34.11,76.48 v1(34.11,74.96) 40.52,70.48 40.52,70.48 43.63,68.27 43.64,68.27 R5.1 ; 54.66,72.48 54.7,72.48 54.71,72.48 55.66,72.48 55.68,72.48 55.71,72.48 55.73,72.48 55.75,72.47 55.78,72.47 55.8,72.46 55.82,72.46 55.85,72.45 55.87,72.44 55.89,72.43 v1(56.04,72.37) 55.77,71.9 55.76,71.9 C46.1 ; C41.1 U8.21 89.91,62.7 R4.1 ; v1(9.98,14.44) 10.47,14.52 10.5,14.52 10.52,14.52 C31.1 12.92,14.52 R39.1 13.46,13.8 13.46,13.79 14.24,13.33 14.27,13.31 14.29,13.3 14.33,13.28 14.36,13.27 14.39,13.26 14.42,13.25 14.48,13.23 14.51,13.23 14.54,13.22 14.56,13.22 ; v1(15.68,47.35) 16.21,47.34 C32.1 16.44,47.57 16.43,47.6 16.42,47.63 16.41,47.65 16.4,47.67 16.39,47.7 16.38,47.72 15.81,48.81 15.79,48.85 15.77,48.89 15.76,48.93 15.74,48.97 15.73,49.02 15.72,49.06 15.71,49.11 15.71,49.15 15.7,49.19 15.7,49.24 15.7,49.28 15.7,49.33 16.07,53.89 16.07,53.92 16.08,53.95 16.08,53.98 16.07,54.01 16.07,54.04 16.07,54.07 16.06,54.1 16.06,54.13 15.7,55.92 15.69,55.95 15.68,55.99 15.67,56 v1(15.14,57.7) 16.15,57.99 C34.1 ; 82.41,8.61 83.21,8.5 82.61,7.96
+12V: length 80.8
  Bottom w0.2: 2.75,81.06 3.51,81.28 3.25,82.03 ; 41.04,64.22 41.21,63.47 41.94,63.71 ; J3.7 4.55,80.75 4.61,80.72 4.67,80.69 4.74,80.67 4.8,80.65 4.87,80.64 4.94,80.63 5.01,80.62 5.07,80.62 5.14,80.62 5.21,80.63 5.28,80.64 5.34,80.65 5.41,80.67 5.47,80.69 5.54,80.71 5.6,80.74 5.66,80.77 5.72,80.81 5.77,80.85 5.82,80.89 5.88,80.94 5.92,80.98 5.97,81.03 6.01,81.09 6.05,81.14 6.08,81.2 6.12,81.26 6.15,81.32 6.17,81.39 ; 41.42,63.74 42.12,63.41 42.38,64.14 ; 6.17,81.38 9.18,89.69 9.18,89.71 9.19,89.72 9.2,89.74 9.21,89.75 9.22,89.77 9.23,89.78 9.24,89.79 9.25,89.81 9.26,89.82 9.28,89.83 9.29,89.84 9.31,89.85 9.32,89.86 9.34,89.86 9.35,89.87 9.37,89.88 9.38,89.88 9.4,89.89 9.42,89.89 9.44,89.89 9.45,89.89 9.47,89.9 11.07,89.9 11.09,89.89 11.1,89.89 11.12,89.89 11.14,89.89 11.16,89.88 11.17,89.88 11.19,89.87 11.21,89.86 11.22,89.86 11.24,89.85 11.25,89.84 11.26,89.83 11.28,89.82 11.29,89.8 11.3,89.79 11.31,89.78 11.32,89.76 11.33,89.75 11.34,89.73 11.35,89.72 11.36,89.7 11.36,89.69 11.37,89.67 11.37,89.65 11.38,89.63 11.82,86.87 11.83,86.85 11.83,86.8 12.11,81.37 12.12,81.3 12.12,81.28 12.13,81.24 12.14,81.22 12.7,79.19 12.72,79.13 12.74,79.08 12.76,79.03 12.78,78.98 12.81,78.93 12.84,78.88 12.87,78.84 12.9,78.79 12.94,78.75 12.98,78.71 13.02,78.67 13.06,78.63 13.1,78.6 13.15,78.56 13.2,78.53 13.24,78.51 18.66,75.6 18.68,75.59 18.72,75.57 18.75,75.56 18.77,75.56 18.82,75.54 18.84,75.54 18.86,75.54 18.92,75.53 18.93,75.53 19.43,75.53 19.46,75.53 19.51,75.54 19.54,75.54 19.56,75.54 19.61,75.56 19.63,75.57 19.65,75.57 19.7,75.6 19.72,75.61 19.74,75.62 19.78,75.65 19.8,75.67 19.81,75.68 19.85,75.72 19.87,75.74 19.88,75.75 19.91,75.79 19.92,75.82 19.93,75.83 19.95,75.88 19.96,75.91 19.97,75.92 19.98,75.97 20.28,77.16 20.3,77.22 20.31,77.24 20.31,77.26 20.34,77.31 20.35,77.33 20.36,77.34 20.39,77.39 20.41,77.41 20.42,77.42 20.46,77.46 20.48,77.48 20.49,77.49 20.53,77.51 28.12,82.76 28.2,82.82 28.29,82.86 28.38,82.91 28.47,82.95 28.56,82.98 28.66,83.01 28.75,83.03 28.85,83.05 28.95,83.06 29.05,83.07 29.15,83.07 29.25,83.06 29.35,83.05 29.45,83.03 29.54,83.01 29.64,82.98 29.73,82.95 29.82,82.91 29.91,82.87 30,82.82 30.08,82.76 30.16,82.7 30.24,82.64 30.31,82.57 30.38,82.5 30.44,82.42 30.84,81.93 30.87,81.9 30.89,81.88 30.95,81.79 31.02,81.7 31.08,81.61 31.13,81.51 31.18,81.41 31.22,81.31 31.26,81.2 31.29,81.09 31.32,80.99 31.34,80.88 31.35,80.77 31.36,80.66 31.36,80.54 31.36,80.43 31.35,80.32 31.33,80.21 31.31,80.1 31.28,80 31.25,79.89 31.21,79.79 30.65,78.44 30.6,78.32 30.56,78.19 30.53,78.06 30.5,77.93 30.48,77.8 30.47,77.67 30.46,77.54 30.47,77.4 30.48,77.27 30.49,77.14 30.52,77.01 30.55,76.88 30.59,76.75 30.63,76.62 30.68,76.5 30.74,76.38 30.8,76.27 30.87,76.15 39.67,62.96 39.67,62.96 C12.1 40.94,62.98 40.94,62.99 U8.40 42.28,63.01 C9.1
-5V: length 82.5
  Bottom w0.2: 3.88,77.08 3.87,77.11 3.86,77.13 3.85,77.19 3.85,77.2 3.65,78.3 3.65,78.32 3.63,78.37 3.62,78.4 3.62,78.42 3.59,78.46 3.58,78.49 3.57,78.5 3.54,78.55 1.62,81.08 1.58,81.13 1.54,81.19 1.51,81.24 1.48,81.3 1.46,81.36 1.44,81.42 1.42,81.49 1.4,81.55 1.39,81.61 1.38,81.68 1.38,81.74 1.38,81.81 1.38,81.87 1.39,81.94 1.4,82 1.42,82.07 1.43,82.13 1.46,82.19 1.48,82.25 1.51,82.31 J3.5 ; 27.56,65.71 27.58,65.67 27.59,65.64 27.6,65.63 27.64,65.58 27.65,65.56 27.66,65.55 27.7,65.51 27.72,65.5 27.73,65.49 29.59,64.15 31.18,62.99 31.22,62.96 31.27,62.93 31.31,62.91 31.36,62.89 31.41,62.87 31.46,62.85 31.51,62.83 31.56,62.82 31.61,62.81 31.66,62.8 31.71,62.79 31.76,62.79 31.82,62.79 31.9,62.78 31.98,62.78 32.06,62.77 32.14,62.75 32.22,62.73 32.3,62.7 32.38,62.67 32.45,62.64 32.53,62.6 32.6,62.56 32.67,62.51 32.73,62.46 32.79,62.41 32.85,62.35 32.91,62.29 32.96,62.23 33.01,62.16 33.06,62.1 33.1,62.02 33.14,61.95 33.17,61.88 33.2,61.8 33.22,61.72 33.37,61.2 33.39,61.12 33.42,61.05 33.45,60.98 33.48,60.91 33.52,60.84 33.57,60.77 33.61,60.7 33.66,60.64 33.71,60.58 33.77,60.53 33.83,60.47 33.89,60.42 33.95,60.37 34.02,60.33 34.08,60.29 34.16,60.25 34.23,60.22 34.3,60.19 34.71,60.04 34.77,60.01 34.84,59.99 34.9,59.95 34.96,59.92 35.02,59.88 35.07,59.84 35.13,59.8 35.18,59.75 35.23,59.71 35.28,59.66 35.32,59.6 35.37,59.55 35.41,59.49 35.44,59.43 38.92,53.64 38.98,53.53 39.04,53.41 39.09,53.3 39.15,53.18 39.19,53.06 39.23,52.94 39.27,52.82 39.3,52.7 39.33,52.57 39.34,52.54 39.34,52.53 39.67,51.55 39.67,51.53 C11.1 40.86,50.61 41.02,49.96 41.02,49.93 41.02,49.83 U8.1 42.37,49.83 42.37,50.61 C10.1 ; 2.79,83.61 2.04,83.35 1.82,84.11 ; 3.88,77.08 3.91,77.04 3.92,77.01 3.93,77 3.96,76.95 3.98,76.93 3.99,76.92 4.03,76.88 4.05,76.86 4.06,76.85 4.1,76.82 4.13,76.81 4.14,76.8 4.19,76.78 4.22,76.77 4.23,76.76 4.29,76.75 4.3,76.75 18.61,74.24 18.63,74.23 18.66,74.23 18.69,74.23 18.72,74.22 18.79,74.22 18.82,74.21 18.84,74.21 18.87,74.21 18.9,74.21 18.93,74.21 19.43,74.21 19.46,74.21 19.49,74.21 19.52,74.21 19.55,74.21 19.58,74.22 19.62,74.22 19.67,74.22 19.71,74.23 19.76,74.24 19.81,74.25 19.85,74.26 19.9,74.27 19.94,74.28 19.99,74.29 20.03,74.31 20.08,74.32 20.12,74.34 20.16,74.36 20.21,74.38 20.27,74.41 20.31,74.43 20.33,74.44 20.76,74.67 20.78,74.68 20.81,74.7 20.83,74.71 20.85,74.73 20.87,74.75 20.89,74.76 20.91,74.78 20.93,74.8 28.13,82.28 28.19,82.33 28.25,82.38 28.31,82.43 28.37,82.47 28.44,82.51 28.51,82.55 28.58,82.58 28.65,82.61 28.72,82.63 28.8,82.65 28.88,82.67 28.95,82.68 29.03,82.68 29.11,82.69 29.19,82.68 29.26,82.68 29.34,82.66 29.42,82.65 29.49,82.63 29.56,82.6 29.64,82.57 29.71,82.54 29.78,82.5 29.84,82.46 29.9,82.42 29.97,82.37 30.02,82.32 30.08,82.26 30.13,82.21 30.59,81.66 30.6,81.64 30.66,81.57 30.72,81.49 30.76,81.41 30.81,81.33 30.85,81.24 30.89,81.16 30.92,81.07 30.94,80.98 30.96,80.89 30.98,80.8 30.99,80.7 30.99,80.61 30.99,80.52 30.99,80.42 30.98,80.33 30.96,80.24 30.94,80.14 30.91,80.05 30.88,79.97 30.85,79.88 30.31,78.68 30.27,78.59 30.24,78.51 30.2,78.42 30.18,78.33 30.15,78.24 30.13,78.15 27.53,67 27.52,66.97 27.52,66.93 27.52,66.89 27.51,66.88 27.51,65.93 27.52,65.9 27.52,65.85 27.53,65.82 27.54,65.79 27.54,65.76 27.55,65.73 27.56,65.71